# Allegro board RK_NVR_DEMO1_RK3588_LP4XD200P232SD8_V21_20211228_final_lint.brd (continued)
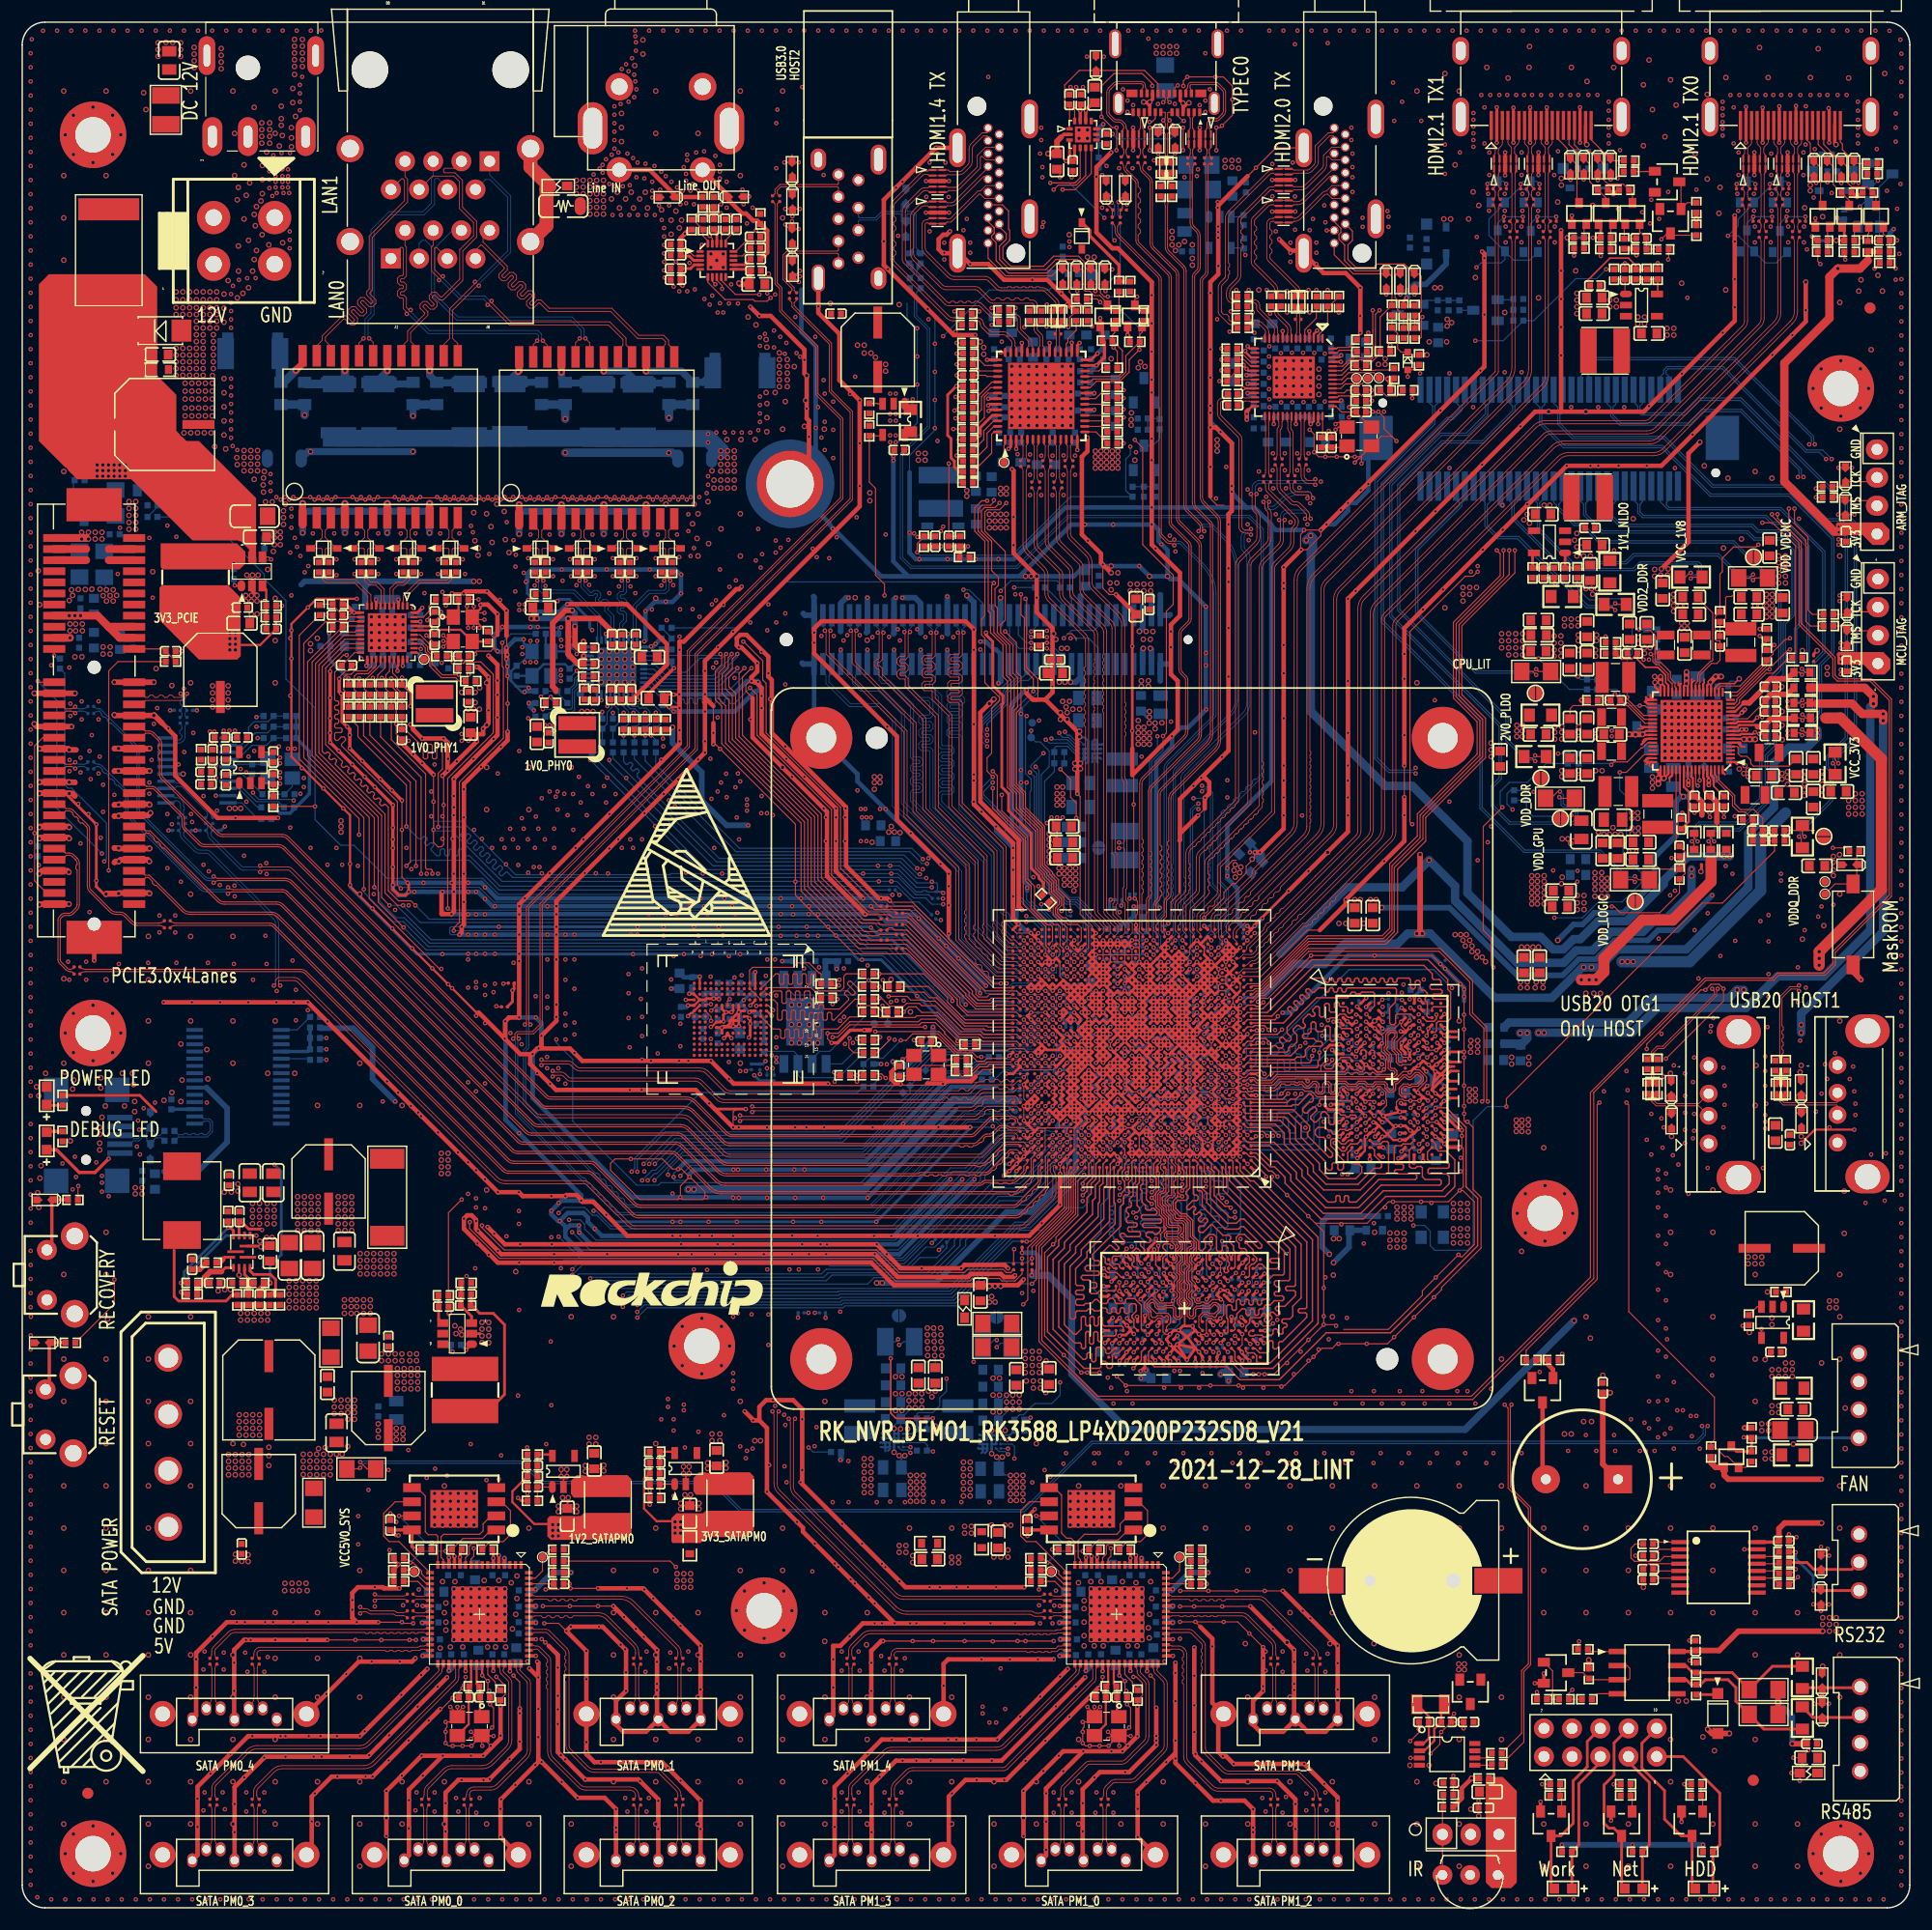
[diagram p0: board, top side]
## Nets (continued)
DP1_HPDIN_M2: D5102.1(A) R5100.1 R5101.1 R5135.2 U1000.A25(GPIO1_A1_D)
DP1_TX0N: C1409.2 U5100.30(RX0N)
DP1_TX0P: C1408.2 U5100.29(RX0P)
DP1_TX1N: C1411.2 U5100.33(RX1N)
DP1_TX1P: C1410.2 U5100.32(RX1P)
DP1_TX2N: C1414.2 U5100.35(RX2N)
DP1_TX2P: C1413.2 U5100.34(RX2P)
DP1_TX3N: C1416.2 U5100.38(RX3N)
DP1_TX3P: C1415.2 U5100.37(RX3P)
DP1AUXN: C5100.2 U5100.26(RXAUXN)
DP1AUXP: C5101.2 U5100.27(RXAUXP)
DP1TX0N: C1409.1 U1000.AP8(TYPEC1_SSRX1N/DP1_TX0N)
DP1TX0P: C1408.1 U1000.AN8(TYPEC1_SSRX1P/DP1_TX0P)
DP1TX1N: C1411.1 U1000.AN9(TYPEC1_SSTX1N/DP1_TX1N)
DP1TX1P: C1410.1 U1000.AP9(TYPEC1_SSTX1P/DP1_TX1P)
DP1TX2N: C1414.1 U1000.AP10(TYPEC1_SSRX2N/DP1_TX2N)
DP1TX2P: C1413.1 U1000.AN10(TYPEC1_SSRX2P/DP1_TX2P)
DP1TX3N: C1416.1 U1000.AN11(TYPEC1_SSTX2N/DP1_TX3N)
DP1TX3P: C1415.1 U1000.AP11(TYPEC1_SSTX2P/DP1_TX3P)
DP2HDMI_PWREN_H_GPIO3_B2: R5129.1 R5131.1 R5549.1 R5552.1 U1000.AE28(GPIO3_B2_D)
DP2HDMI_RSTN: C5106.1 R5121.2 R5122.2 U5100.46(SYSRSTN)
DP2HDMI_RSTN_GPIO0_D5: R5122.1 U1000.V28(GPIO0_D5_U)
DP2HDMI_XIN: C5105.1 U5100.43(XTALIN) Y5100.3(X2)
DP2HDMI_XOUT: R5115.2 U5100.42(XTALOUT)
EMMC_CLKOUT: C4010.1 R1310.2 TP1300.1 U4000.M6(CLK)
EMMC_CLKOUT_SOC: R1310.1 U1000.V34(GPIO2_A1_D)
EMMC_CMD: R1315.2 R4001.2 U4000.M5(CMD)
EMMC_CMD/FSPI_CLK: R1304.1 R1315.1 U1000.W34(GPIO2_A0_U)
EMMC_D0: R1309.2 R4000.2 U4000.A3(DATA0)
EMMC_D0/FSPI_D0: R1300.1 R1309.1 U1000.Y33(GPIO2_D0_U)
EMMC_D1: R1311.2 U4000.A4(DATA1)
EMMC_D1/FSPI_D1: R1301.1 R1311.1 U1000.W33(GPIO2_D1_U)
EMMC_D2: R1313.2 U4000.A5(DATA2)
EMMC_D2/FSPI_D2: R1302.1 R1313.1 U1000.V32(GPIO2_D2_U)
EMMC_D3: R1314.2 U4000.B2(DATA3)
EMMC_D3/FSPI_D3: R1303.1 R1314.1 U1000.AA33(GPIO2_D3_U)
EMMC_D4: R1305.2 U4000.B3(DATA4)
EMMC_D4_SOC: R1305.1 U1000.Y32(GPIO2_D4_U)
EMMC_D5: R1306.2 U4000.B4(DATA5)
EMMC_D5_SOC: R1306.1 U1000.AA32(GPIO2_D5_U)
EMMC_D6: R1316.2 U4000.B5(DATA6)
EMMC_D6/FSPI_CS0: R1307.1 R1316.1 U1000.W32(GPIO2_D6_U)
EMMC_D7: R1308.2 U4000.B6(DATA7)
EMMC_D7_SOC: R1308.1 U1000.V33(GPIO2_D7_U)
EMMC_DATA_STROBE: R4003.1 U1000.Y34(GPIO2_A2_D)
EMMC_DS: R4003.2 R4004.1 U4000.H5(DATA STROBE)
EMMC_RSTN: C4009.1 R1312.2 R4002.2 U4000.K5(RST_N)
EMMC_RSTN_SOC: R1312.1 U1000.AA34(GPIO2_A3_D)
EMMC_VDDI: C4008.1 U4000.C2(VDDI)
ENTEST: R5513.1 U5500.44(ENTEST)
ES_CE: R7002.2 R7004.1 U7000.20(CE)
ETH0_REFCLKO25M: R1511.1 U1000.AD30(GPIO2_C3_D)
ETH0_REFCLKO_25M: R1511.2 R6709.1
ETH1_REFCLKO25M: R1906.1 U1000.AH27(GPIO3_A6_D)
ETH1_REFCLKO_25M: R1906.2 R6809.1
ETHERNET_LED+: J9001.9 LED9001.1(ANODE) R9004.2
ETHERNET_LED-: J9001.10 LED9001.2(CATHODE) Q9001.3(COLLECTOR)
ETHERNET_LED_EN_H_GPIO3_C0: R9007.1 U1000.Y29(GPIO3_C0_D)
FSPI_CLK: R1304.2 TP1302.1 U4300.6(CLK)
FSPI_CS0: R1307.2 U4300.1(C\S\)
FSPI_D0: R1300.2 U4300.5(DI(D0))
FSPI_D1: R1301.2 U4300.2(DO(D1))
FSPI_D2: R1302.2 R4300.2 U4300.3(W\P\(D2))
FSPI_D3: R1303.2 R4301.2 U4300.7(H\O\L\D\(D3))
GMAC0_MCLKIN: R1512.1 U1000.AF34(GPIO4_C3_D)
GMAC0_MCLKINOUT: C6706.1 R1512.2 R6714.1 R6715.1
GMAC0_MDC: R1513.2 U6701.13(MDC)
GMAC0_MDC_SOC: R1513.1 U1000.AB34(GPIO4_C4_D)
GMAC0_MDIO: R6735.2 U1000.AB33(GPIO4_C5_D) U6701.14(MDIO)
GMAC0_RSTN_L_GPIO4_B3: R6736.1 U1000.AM25(GPIO4_B3_U)
GMAC0_RXCLK: C6724.1 R6741.2 U1000.AE32(GPIO2_B0_U)
GMAC0_RXD0: R6737.2 U1000.AD32(GPIO2_C1_D)
GMAC0_RXD1: R6738.2 U1000.AD31(GPIO2_C2_D)
GMAC0_RXD2: R6739.2 U1000.AC32(GPIO2_A6_U)
GMAC0_RXD3: R6740.2 U1000.AC31(GPIO2_A7_U)
GMAC0_RXDV_CRS: R6742.2 U1000.AE31(GPIO4_C2_D)
GMAC0_TXCLK: C6726.1 R1506.2 U6701.20(TXC)
GMAC0_TXCLK_SOC: R1506.1 U1000.AE33(GPIO2_B3_D)
GMAC0_TXD0: R1507.2 U6701.18(TXD0)
GMAC0_TXD0_SOC: R1507.1 U1000.AD33(GPIO2_B6_D)
GMAC0_TXD1: R1508.2 U6701.17(TXD1)
GMAC0_TXD1_SOC: R1508.1 U1000.AD34(GPIO2_B7_D)
GMAC0_TXD2: R1504.2 U6701.16(TXD2)
GMAC0_TXD2_SOC: R1504.1 U1000.AC33(GPIO2_B1_U)
GMAC0_TXD3: R1505.2 U6701.15(TXD3)
GMAC0_TXD3_SOC: R1505.1 U1000.AC34(GPIO2_B2_U)
GMAC0_TXEN: R1509.2 U6701.19(TXCTL)
GMAC0_TXEN_SOC: R1509.1 U1000.AE34(GPIO2_C0_D)
GMAC1_MCLKIN: R1910.1 U1000.AE29(GPIO3_B6_D)
GMAC1_MCLKINOUT: C6806.1 R1910.2 R6814.1 R6815.1
GMAC1_MDC: R1911.2 U6801.13(MDC)
GMAC1_MDC_SOC: R1911.1 U1000.Y31(GPIO3_C2_D)
GMAC1_MDIO: R6835.2 U1000.Y30(GPIO3_C3_D) U6801.14(MDIO)
GMAC1_RSTN_L_GPIO4_A2: R6836.1 U1000.AM29(GPIO4_A2_D)
GMAC1_RXCLK: C6823.1 R1905.2 R6841.2
GMAC1_RXCLK_SOC: R1905.1 U1000.AH30(GPIO3_A5_D)
GMAC1_RXD0: R6837.2 U1000.AG29(GPIO3_A7_U)
GMAC1_RXD1: R6838.2 U1000.AG28(GPIO3_B0_U)
GMAC1_RXD2: R1902.2 R6839.2
GMAC1_RXD2_SOC: R1902.1 U1000.AD27(GPIO3_A2_U)
GMAC1_RXD3: R1903.2 R6840.2
GMAC1_RXD3_SOC: R1903.1 U1000.AE27(GPIO3_A3_U)
GMAC1_RXDV_CRS: R6842.2 U1000.AH29(GPIO3_B1_D)
GMAC1_TXCLK: C6826.1 R1904.2 U6801.20(TXC)
GMAC1_TXCLK_SOC: R1904.1 U1000.AD28(GPIO3_A4_D)
GMAC1_TXD0: R1907.2 U6801.18(TXD0)
GMAC1_TXD0_SOC: R1907.1 U1000.AC28(GPIO3_B3_U)
GMAC1_TXD1: R1908.2 U6801.17(TXD1)
GMAC1_TXD1_SOC: R1908.1 U1000.AC29(GPIO3_B4_U)
GMAC1_TXD2: R1900.2 U6801.16(TXD2)
GMAC1_TXD2_SOC: R1900.1 U1000.AA29(GPIO3_A0_U)
GMAC1_TXD3: R1901.2 U6801.15(TXD3)
GMAC1_TXD3_SOC: R1901.1 U1000.AA30(GPIO3_A1_U)
GMAC1_TXEN: R1909.2 U6801.19(TXCTL)
GMAC1_TXEN_SOC: R1909.1 U1000.AD29(GPIO3_B5_U)
HDD_LED+: J9001.7 LED9002.1(ANODE) R9005.2
HDD_LED-: J9001.8 LED9002.2(CATHODE) Q9002.3(COLLECTOR)
HDD_LED_EN_H_GPIO3_C1: R9008.1 U1000.Y27(GPIO3_C1_D)
HDMI0_TX0N_PORT: C1701.2 ED5001.2(IO2) ED5001.9(NC_9) J5000.9(D0N) R1706.1
HDMI0_TX0N_PORT/EDP0_TX_D0N: C1701.1 U1000.AJ1(HDMI_TX0_D0N/EDP_TX0_D0N)
HDMI0_TX0P_PORT: C1700.2 ED5001.1(IO1) ED5001.10(NC_10) J5000.7(D0P) R1707.1
HDMI0_TX0P_PORT/EDP0_TX_D0P: C1700.1 U1000.AJ2(HDMI_TX0_D0P/EDP_TX0_D0P)
HDMI0_TX1N_PORT: C1703.2 ED5000.5(IO4) ED5000.6(NC_6) J5000.6(D1N) R1704.1
HDMI0_TX1N_PORT/EDP0_TX_D1N: C1703.1 U1000.AK2(HDMI_TX0_D1N/EDP_TX0_D1N)
HDMI0_TX1P_PORT: C1702.2 ED5000.4(IO3) ED5000.7(NC_7) J5000.4(D1P) R1705.1
HDMI0_TX1P_PORT/EDP0_TX_D1P: C1702.1 U1000.AK3(HDMI_TX0_D1P/EDP_TX0_D1P)
HDMI0_TX2N_PORT: C1705.2 ED5000.2(IO2) ED5000.9(NC_9) J5000.3(D2N) R1702.1
HDMI0_TX2N_PORT/EDP0_TX_D2N: C1705.1 U1000.AL1(HDMI_TX0_D2N/EDP_TX0_D2N)
HDMI0_TX2P_PORT: C1704.2 ED5000.1(IO1) ED5000.10(NC_10) J5000.1(D2P) R1703.1
HDMI0_TX2P_PORT/EDP0_TX_D2P: C1704.1 U1000.AL2(HDMI_TX0_D2P/EDP_TX0_D2P)
HDMI0_TX3N_PORT: C1707.2 ED5001.5(IO4) ED5001.6(NC_6) J5000.12(CLKN) R1700.1
HDMI0_TX3N_PORT/EDP0_TX_D3N: C1707.1 U1000.AH2(HDMI_TX0_D3N/EDP_TX0_D3N)
HDMI0_TX3P_PORT: C1706.2 ED5001.4(IO3) ED5001.7(NC_7) J5000.10(CLKP) R1701.1
HDMI0_TX3P_PORT/EDP0_TX_D3P: C1706.1 U1000.AH3(HDMI_TX0_D3P/EDP_TX0_D3P)
HDMI0_TX_CEC_PORT: ED5005.1 J5000.13(CEC) Q5002.3(DRAIN)
HDMI0_TX_HPD_PORT: ED5002.1 J5000.19(HPD) R5004.2
HDMI0_TX_ON_H: Q1700.1(GATE) Q1701.1(GATE) Q1702.1(GATE) Q1703.1(GATE) U1000.AL24(GPIO4_B1_U)
HDMI0_TX_SCL_PORT: ED5004.1 J5000.15(SCL) Q5000.3(DRAIN) R5001.2
HDMI0_TX_SDA_PORT: ED5003.1 J5000.16(SDA) Q5001.3(DRAIN) R5007.2
HDMI1_TX0N_PORT: C1717.2 ED5007.2(IO2) ED5007.9(NC_9) J5001.9(D0N) R1715.1
HDMI1_TX0N_PORT/EDP1_TX_D0N: C1717.1 U1000.AP4(HDMI_TX1_D0N/EDP_TX1_D0N)
HDMI1_TX0P_PORT: C1716.2 ED5007.1(IO1) ED5007.10(NC_10) J5001.7(D0P) R1716.1
HDMI1_TX0P_PORT/EDP1_TX_D0P: C1716.1 U1000.AN4(HDMI_TX1_D0P/EDP_TX1_D0P)
HDMI1_TX1N_PORT: C1719.2 ED5006.5(IO4) ED5006.6(NC_6) J5001.6(D1N) R1713.1
HDMI1_TX1N_PORT/EDP1_TX_D1N: C1719.1 U1000.AN5(HDMI_TX1_D1N/EDP_TX1_D1N)
HDMI1_TX1P_PORT: C1718.2 ED5006.4(IO3) ED5006.7(NC_7) J5001.4(D1P) R1714.1
HDMI1_TX1P_PORT/EDP1_TX_D1P: C1718.1 U1000.AM5(HDMI_TX1_D1P/EDP_TX1_D1P)
HDMI1_TX2N_PORT: C1721.2 ED5006.2(IO2) ED5006.9(NC_9) J5001.3(D2N) R1711.1
HDMI1_TX2N_PORT/EDP1_TX_D2N: C1721.1 U1000.AP6(HDMI_TX1_D2N/EDP_TX1_D2N)
HDMI1_TX2P_PORT: C1720.2 ED5006.1(IO1) ED5006.10(NC_10) J5001.1(D2P) R1712.1
HDMI1_TX2P_PORT/EDP1_TX_D2P: C1720.1 U1000.AN6(HDMI_TX1_D2P/EDP_TX1_D2P)
HDMI1_TX3N_PORT: C1723.2 ED5007.5(IO4) ED5007.6(NC_6) J5001.12(CLKN) R1709.1
HDMI1_TX3N_PORT/EDP1_TX_D3N: C1723.1 U1000.AN3(HDMI_TX1_D3N/EDP_TX1_D3N)
HDMI1_TX3P_PORT: C1722.2 ED5007.4(IO3) ED5007.7(NC_7) J5001.10(CLKP) R1710.1
HDMI1_TX3P_PORT/EDP1_TX_D3P: C1722.1 U1000.AM3(HDMI_TX1_D3P/EDP_TX1_D3P)
HDMI1_TX_CEC_PORT: ED5011.1 J5001.13(CEC) Q5005.3(DRAIN)
HDMI1_TX_HPD_PORT: ED5008.1 J5001.19(HPD) R5016.2
HDMI1_TX_ON_H: Q1704.1(GATE) Q1705.1(GATE) Q1706.1(GATE) Q1707.1(GATE) U1000.AK25(GPIO4_B2_U)
HDMI1_TX_SCL_PORT: ED5010.1 J5001.15(SCL) Q5003.3(DRAIN) R5013.2
HDMI1_TX_SDA_PORT: ED5009.1 J5001.16(SDA) Q5004.3(DRAIN) R5019.2
HDMI2_TX0N: R5109.1 U5100.8(TX0M)
HDMI2_TX0N_PORT: ED5101.2(IO2) ED5101.9(NC_9) J5100.9(D0N) R5109.2
HDMI2_TX0P: R5108.1 U5100.9(TX0P)
HDMI2_TX0P_PORT: ED5101.1(IO1) ED5101.10(NC_10) J5100.7(D0P) R5108.2
HDMI2_TX1N: R5106.1 U5100.11(TX1M)
HDMI2_TX1N_PORT: ED5100.5(IO4) ED5100.6(NC_6) J5100.6(D1N) R5106.2
HDMI2_TX1P: R5105.1 U5100.12(TX1P)
HDMI2_TX1P_PORT: ED5100.4(IO3) ED5100.7(NC_7) J5100.4(D1P) R5105.2
HDMI2_TX2N: R5104.1 U5100.13(TX2M)
HDMI2_TX2N_PORT: ED5100.2(IO2) ED5100.9(NC_9) J5100.3(D2N) R5104.2
HDMI2_TX2P: R5103.1 U5100.14(TX2P)
HDMI2_TX2P_PORT: ED5100.1(IO1) ED5100.10(NC_10) J5100.1(D2P) R5103.2
HDMI2_TX_CEC: R5116.1 R5136.1 U5100.2(CEC)
HDMI2_TX_HPD: R5112.1 R5138.1 U5100.50(HDMI_HPD)
HDMI2_TX_HPD_PORT: ED5102.1 J5100.19(HPD) R5112.2 R5114.1 R5137.2
HDMI2_TX_I2S0: R5118.1 U5100.55(I2S0/SPDIF)
HDMI2_TX_SCL: R5102.2 R5124.1 U5100.52(DDCSCL)
HDMI2_TX_SCL_PORT: ED5104.1 J5100.15(SCL) R5123.2 R5124.2
HDMI2_TX_SDA: R5107.2 R5127.1 U5100.51(DDCSDA)
HDMI2_TX_SDA_PORT: ED5103.1 J5100.16(SDA) R5125.2 R5127.2
HDMI2_TX_WS: R5119.1 U5100.56(WS)
HDMI2_TXCN: C5103.2 L5100.4 R5111.1 U5100.6(TXCM)
HDMI2_TXCN_PORT: ED5101.5(IO4) ED5101.6(NC_6) J5100.12(CLKN) L5100.3 R5111.2
HDMI2_TXCP: C5103.1 L5100.2 R5110.1 U5100.7(TXCP)
HDMI2_TXCP_PORT: ED5101.4(IO3) ED5101.7(NC_7) J5100.10(CLKP) L5100.1 R5110.2
HDMI3_TX0N: R5518.1 U5500.35(TX0M)
HDMI3_TX0N_PORT: ED5501.2(IO2) ED5501.9(NC_9) J5500.9(D0N) R5518.2
HDMI3_TX0P: R5517.1 U5500.36(TX0P)
HDMI3_TX0P_PORT: ED5501.1(IO1) ED5501.10(NC_10) J5500.7(D0P) R5517.2
HDMI3_TX1N: R5512.1 U5500.37(TX1M)
HDMI3_TX1N_PORT: ED5500.5(IO4) ED5500.6(NC_6) J5500.6(D1N) R5512.2
HDMI3_TX1P: R5515.1 U5500.38(TX1P)
HDMI3_TX1P_PORT: ED5500.4(IO3) ED5500.7(NC_7) J5500.4(D1P) R5515.2
HDMI3_TX2N: R5516.1 U5500.40(TX2M)
HDMI3_TX2N_PORT: ED5500.2(IO2) ED5500.9(NC_9) J5500.3(D2N) R5516.2
HDMI3_TX2P: R5514.1 U5500.41(TX2P)
HDMI3_TX2P_PORT: ED5500.1(IO1) ED5500.10(NC_10) J5500.1(D2P) R5514.2
HDMI3_TX_CEC: ED5505.1 J5500.13(CEC) R5538.2
HDMI3_TX_HPD: R5528.1 U5500.23(HPD)
HDMI3_TX_HPD_PORT: ED5502.1 J5500.19(HPD) R5528.2 R5533.1
HDMI3_TX_SCL: Q5501.2(SOURCE) R5542.2 R5544.1 U5500.25(DDCSCL)
HDMI3_TX_SCL_PORT: ED5504.1 J5500.15(SCL) Q5501.3(DRAIN) R5543.2 R5544.2
HDMI3_TX_SDA: Q5502.2(SOURCE) R5547.2 R5550.1 U5500.24(DDCSDA)
HDMI3_TX_SDA_PORT: ED5503.1 J5500.16(SDA) Q5502.3(DRAIN) R5548.2 R5550.2
HDMI3_TXCN: C5501.2 L5500.4 R5522.1 U5500.32(TXCM)
HDMI3_TXCN_PORT: ED5501.5(IO4) ED5501.6(NC_6) J5500.12(CLKN) L5500.3 R5522.2
HDMI3_TXCP: C5501.1 L5500.2 R5519.1 U5500.33(TXCP)
HDMI3_TXCP_PORT: ED5501.4(IO3) ED5501.7(NC_7) J5500.10(CLKP) L5500.1 R5519.2
HDMI_TX0_REXT: R1708.1 U1000.AM2(HDMI/EDP_TX0_REXT)
HDMI_TX1_REXT: R1717.1 U1000.AN1(HDMI/EDP_TX1_REXT)
HDMITX0_CEC_M0: R5011.1 U1000.AK24(GPIO4_C1_D)
HDMITX0_HPDIN_M0: Q5006.3(COLLECTOR) R5000.2 U1000.B26(GPIO1_A5_D)
HDMITX0_SCL_M0: R5003.1 U1000.AJ28(GPIO4_B7_U)
HDMITX0_SDA_M0: R5008.1 U1000.AJ25(GPIO4_C0_U)
HDMITX1_CEC_M2: R1912.2 R5023.1
HDMITX1_CEC_M2SOC: R1912.1 U1000.AH26(GPIO3_C4_U)
HDMITX1_HPDIN_M0: Q5008.3(COLLECTOR) R5014.2 U1000.C24(GPIO1_A6_D)
HDMITX1_SCL_M1: R5015.1 U1000.AG26(GPIO3_C6_U)
HDMITX1_SDA_M1: R5020.1 U1000.AH25(GPIO3_C5_U)
HOST0_REXT: R1403.1 U1000.AG9(USB20_HOST0_REXT)
HOST1_REXT: R1404.1 U1000.AH9(USB20_HOST1_REXT)
I2C0_SCL_M2: R1118.2 U1000.W30(GPIO0_D1_U) U2200.A3(SCL) U2201.A3(SCL)
I2C0_SDA_M2: R1117.2 U1000.W29(GPIO0_D2_U) U2200.B1(SDA) U2201.B1(SDA)
I2C2_SCL_M0: R1112.2 U1000.T28(GPIO0_B7_D) U2202.A3(SCL)
I2C2_SDA_M0: R1111.2 U1000.T31(GPIO0_C0_D) U2202.B1(SDA)
I2C3_SCL_M0: R1500.2 U1000.G27(GPIO1_C1_Z) U7000.1(CCLK)
I2C3_SDA_M0: R1501.2 U1000.G29(GPIO1_C0_Z) U7000.19(CDATA)
I2C4_SCL_M3_MIPI: R1913.2 U1000.A27(GPIO1_A3_D) U4700.48(I2C1_SCL_M0)
I2C4_SDA_M3_MIPI: R1914.2 U1000.A26(GPIO1_A2_D) U4700.46(I2C1_SDA_M0)
I2C5_SCL_M3_MIPI: R1916.2 U1000.E26(GPIO1_B6_U) U4700.47(I2C0_SCL_M0)
I2C5_SDA_M3_MIPI: R1915.2 U1000.E27(GPIO1_B7_U) U4700.45(I2C0_SDA_M0)
I2C6_SCL_M0: R1115.2 R2209.2 R5502.2 U1000.W31(GPIO0_D0_D) U2503.6(SCL)
I2C6_SDA_M0: R1116.2 R2210.2 R5501.2 U1000.V31(GPIO0_C7_D) U2503.7(SDA)
I2C_SCL_RTCIC: R2209.1 U2203.6(SCL)
I2C_SDA_RTCIC: R2210.1 U2203.5(SDA)
I2S0_LRCK_RX/PWM15_M2: R4735.2 U1000.D29(GPIO1_C6_D)
I2S0_LRCK_TX: U1000.D30(GPIO1_C5_D) U7000.8(LRCK)
I2S0_MCLK: U1000.F30(GPIO1_C2_D) U7000.2(MCLK)
I2S0_SCLK_RX/PWM11_M2: R4734.1 U1000.E30(GPIO1_C4_D)
I2S0_SCLK_TX: U1000.E31(GPIO1_C3_D) U7000.6(SCLK)
I2S0_SDI0: U1000.D28(GPIO1_D4_D) U7000.7(ASDOUT)
I2S0_SDI1/PWM1_M1: R4736.1 U1000.E28(GPIO1_D3_D)
I2S0_SDO0: U1000.E29(GPIO1_C7_D) U7000.9(DSDIN)
IT6161_INT: R5500.1 U5500.49(INT)
IT6161_INT_GPIO0_C4: R5500.2 U1000.R30(GPIO0_C4_D)
IT6161_PCSCL: R5502.1 U5500.47(PCSCL)
IT6161_PCSDA: R5501.1 U5500.48(PCSDA)
IT6161_SYSRSTN_GPIO0_C5: R5503.2 U1000.P30(GPIO0_C5_U)
IT6161SYSRSTN: C5500.1 R5503.1 R5504.1 U5500.46(SYSRTN)
JTAG_TCK_M0: R9107.1 U1000.AF2(GPIO4_D2_U)
JTAG_TMS_M0: R9106.1 U1000.AF1(GPIO4_D3_U)
L0DN: R5530.2 U5500.12(L0DN)
L0DP: R5532.2 U5500.13(L0DP)
L1DN: R5527.2 U5500.10(L1DN)
L1DP: R5529.2 U5500.11(L1DP)
L2DN: R5523.2 U5500.6(L2DN)
L2DP: R5524.2 U5500.7(L2DP)
L3DN: R5520.2 U5500.4(L3DN)
L3DP: R5521.2 U5500.5(L3DP)
LAN0_A+: J6700.A1 U6700.23(MX1+)
LAN0_A-: J6700.A2 U6700.22(MX1-)
LAN0_B+: J6700.A3 U6700.20(MX2+)
LAN0_B-: J6700.A6 U6700.19(MX2-)
LAN0_C+: J6700.A4 U6700.17(MX3+)
LAN0_C-: J6700.A5 U6700.16(MX3-)
LAN0_D+: J6700.A7 U6700.14(MX4+)
LAN0_D-: J6700.A8 U6700.13(MX4-)
LAN0_MCT1: D6702.1 D6707.1 R6713.1 U6700.24(MCT1)
LAN0_MCT2: D6700.1 D6704.1 R6712.1 U6700.21(MCT2)
LAN0_MCT3: D6703.1 D6705.1 R6711.1 U6700.18(MCT3)
LAN0_MCT4: D6701.1 D6706.1 R6710.1 U6700.15(MCT4)
LAN1_A+: J6700.B1 U6800.13(MX4-)
LAN1_A-: J6700.B2 U6800.14(MX4+)
LAN1_B+: J6700.B3 U6800.16(MX3-)
LAN1_B-: J6700.B6 U6800.17(MX3+)
LAN1_C+: J6700.B4 U6800.19(MX2-)
LAN1_C-: J6700.B5 U6800.20(MX2+)
LAN1_D+: J6700.B7 U6800.22(MX1-)
LAN1_D-: J6700.B8 U6800.23(MX1+)
LAN1_MCT1: D6800.1 D6804.1 R6813.1 U6800.24(MCT1)
LAN1_MCT2: D6801.1 D6805.1 R6812.1 U6800.21(MCT2)
LAN1_MCT3: D6802.1 D6806.1 R6811.1 U6800.18(MCT3)
LAN1_MCT4: D6803.1 D6807.1 R6810.1 U6800.15(MCT4)
LINE_IN: D7000.1 J7000.2 R7000.2
LINE_OUT: C7005.2 D7001.1 J7000.3 R7003.1
LINEIN: C7000.2 R7000.1 R7001.1
MCU_JTAG_TCK_M0/UART5_RX_M0: R9109.1 U1000.AE2(GPIO4_D4_U)
MCU_JTAG_TMS_M0/UART5_TX_M0: R9108.1 U1000.AE1(GPIO4_D5_D)
MIPI_CAM3_CLKOUT: R1917.2 U4700.39(MIPI0_MCLK0)
MIPI_CAM4_CLKOUT: R1918.2 U4700.40(MIPI1_MCLK0)
MIPI_CSI0_PDN0_H_GPIO1_B3: U1000.D27(GPIO1_B3_D) U4700.51(MIPI0_0_PDN)
MIPI_CSI0_PDN1_H_GPIO1_A7: U1000.C25(GPIO1_A7_U) U4700.55(MIPI0_1_PDN)
MIPI_CSI0_RST_GPIO1_A4: U1000.B25(GPIO1_A4_D) U4700.49(MIPI0_0_RST)
MIPI_CSI0_RX_CLK0N: U1000.AJ34(MIPI_CSI0_CLK0N) U4700.15(MIPI0_CLK0N)
MIPI_CSI0_RX_CLK0P: U1000.AJ33(MIPI_CSI0_CLK0P) U4700.17(MIPI0_CLK0P)
MIPI_CSI0_RX_CLK1N: U1000.AM34(MIPI_CSI0_CLK1N) U4700.33(MIPI0_CLK1N)
MIPI_CSI0_RX_CLK1P: U1000.AM33(MIPI_CSI0_CLK1P) U4700.35(MIPI0_CLK1P)
MIPI_CSI0_RX_D0N: U1000.AG34(MIPI_CSI0_D0N) U4700.3(MIPI0_D0N)
MIPI_CSI0_RX_D0P: U1000.AG33(MIPI_CSI0_D0P) U4700.5(MIPI0_D0P)
MIPI_CSI0_RX_D1N: U1000.AH34(MIPI_CSI0_D1N) U4700.9(MIPI0_D1N)
MIPI_CSI0_RX_D1P: U1000.AH33(MIPI_CSI0_D1P) U4700.11(MIPI0_D1P)
MIPI_CSI0_RX_D2N: U1000.AK34(MIPI_CSI0_D2N) U4700.21(MIPI0_D2N)
MIPI_CSI0_RX_D2P: U1000.AK33(MIPI_CSI0_D2P) U4700.23(MIPI0_D2P)
MIPI_CSI0_RX_D3N: U1000.AL34(MIPI_CSI0_D3N) U4700.27(MIPI0_D3N)
MIPI_CSI0_RX_D3P: U1000.AL33(MIPI_CSI0_D3P) U4700.29(MIPI0_D3P)
MIPI_CSI1_PDN0_H_GPIO1_B4: U1000.E24(GPIO1_B4_U) U4700.52(MIPI1_0_PDN)
MIPI_CSI1_PDN1_H_GPIO1_B0: U1000.C27(GPIO1_B0_U) U4700.56(MIPI1_1_PDN)
MIPI_CSI1_RST_GPIO1_B5: U1000.E25(GPIO1_B5_U) U4700.50(MIPI1_0_RST)
MIPI_CSI1_RX_CLK0N: U1000.AJ32(MIPI_CSI1_CLK0N) U4700.16(MIPI1_CLK0N)
MIPI_CSI1_RX_CLK0P: U1000.AJ31(MIPI_CSI1_CLK0P) U4700.18(MIPI1_CLK0P)
MIPI_CSI1_RX_CLK1N: U1000.AM32(MIPI_CSI1_CLK1N) U4700.34(MIPI1_CLK1N)
MIPI_CSI1_RX_CLK1P: U1000.AM31(MIPI_CSI1_CLK1P) U4700.36(MIPI1_CLK1P)
MIPI_CSI1_RX_D0N: U1000.AG32(MIPI_CSI1_D0N) U4700.4(MIPI1_D0N)
MIPI_CSI1_RX_D0P: U1000.AG31(MIPI_CSI1_D0P) U4700.6(MIPI1_D0P)
MIPI_CSI1_RX_D1N: U1000.AH32(MIPI_CSI1_D1N) U4700.10(MIPI1_D1N)
MIPI_CSI1_RX_D1P: U1000.AH31(MIPI_CSI1_D1P) U4700.12(MIPI1_D1P)
MIPI_CSI1_RX_D2N: U1000.AK32(MIPI_CSI1_D2N) U4700.22(MIPI1_D2N)
MIPI_CSI1_RX_D2P: U1000.AK31(MIPI_CSI1_D2P) U4700.24(MIPI1_D2P)
MIPI_CSI1_RX_D3N: U1000.AL32(MIPI_CSI1_D3N) U4700.28(MIPI1_D3N)
MIPI_CSI1_RX_D3P: U1000.AL31(MIPI_CSI1_D3P) U4700.30(MIPI1_D3P)
MIPI_DPHY1_TX_CLKN: R5525.1 U1000.AP20(MIPI_DPHY1_TX_CLKN/MIPI_CPHY1_T)
MIPI_DPHY1_TX_CLKP: R5526.1 U1000.AN20(MIPI_DPHY1_TX_CLKP/MIPI_CPHY1_T)
MIPI_DPHY1_TX_D0N: R5530.1 U1000.AP18(MIPI_DPHY1_TX_D0N/MIPI_CPHY1_TX)
MIPI_DPHY1_TX_D0P: R5532.1 U1000.AN18(MIPI_DPHY1_TX_D0P/MIPI_CPHY1_TX)
MIPI_DPHY1_TX_D1N: R5527.1 U1000.AP19(MIPI_DPHY1_TX_D1N/MIPI_CPHY1_TX)
MIPI_DPHY1_TX_D1P: R5529.1 U1000.AN19(MIPI_DPHY1_TX_D1P/MIPI_CPHY1_TX)
MIPI_DPHY1_TX_D2N: R5523.1 U1000.AP21(MIPI_DPHY1_TX_D2N/MIPI_CPHY1_TX)
MIPI_DPHY1_TX_D2P: R5524.1 U1000.AN21(MIPI_DPHY1_TX_D2P/MIPI_CPHY1_TX)
MIPI_DPHY1_TX_D3N: R5520.1 U1000.AP22(MIPI_DPHY1_TX_D3N/MIPI_CPHY1_TX)
MIPI_DPHY1_TX_D3P: R5521.1 U1000.AN22(MIPI_DPHY1_TX_D3P/NO_USE)
MIPICSI0_PWREN_H_GPIO1_B1: U1000.D25(GPIO1_B1_D) U4700.65(MIPI0_PWREN)
MIPICSI1_PWREN_H_GPIO1_B2: U1000.D26(GPIO1_B2_D) U4700.66(MIPI1_PWREN)
OTG0_REXT: R1400.1 U1000.AP12(TYPEC0_USB20_OTG0_REXT)
OTG1_REXT: R1402.1 U1000.AP7(TYPEC1_USB20_OTG1_REXT)
PCADR: R5507.1 R5509.1 U5500.45(PCADR)
PCIE30_0_REF: R1800.1 U1000.B34(PCIE30_PORT0_RESREF)
PCIE30_1_REF: R1801.1 U1000.A33(PCIE30_PORT1_RESREF)
PCIE30_PORT0_REFCLKN_IN: R8416.2 R8418.1 U1000.E34(PCIE30_PORT0_REF_CLKN)
PCIE30_PORT0_REFCLKP_IN: R8415.2 R8419.1 U1000.E33(PCIE30_PORT0_REF_CLKP)
PCIE30_PORT0_RX0N: J8400.A17(PERN0) U1000.G34(PCIE30_PORT0_RX0N)
PCIE30_PORT0_RX0P: J8400.A16(PERP0) U1000.G33(PCIE30_PORT0_RX0P)
PCIE30_PORT0_RX1N: J8400.A22(PERN1) U1000.F33(PCIE30_PORT0_RX1N)
PCIE30_PORT0_RX1P: J8400.A21(PERP1) U1000.F32(PCIE30_PORT0_RX1P)
PCIE30_PORT0_TX0N: C8402.1 U1000.D33(PCIE30_PORT0_TX0N)
PCIE30_PORT0_TX0P: C8401.1 U1000.D32(PCIE30_PORT0_TX0P)
PCIE30_PORT0_TX1N: C8404.1 U1000.C34(PCIE30_PORT0_TX1N)
PCIE30_PORT0_TX1P: C8403.1 U1000.C33(PCIE30_PORT0_TX1P)
PCIE30_PORT1_REFCLKN_IN: R8424.2 R8425.1 U1000.B28(PCIE30_PORT1_REF_CLKN)
PCIE30_PORT1_REFCLKP_IN: R8423.2 R8426.1 U1000.A28(PCIE30_PORT1_REF_CLKP)
PCIE30_PORT1_RX2N: J8400.A26(PERN2) U1000.A32(PCIE30_PORT1_RX0N)
PCIE30_PORT1_RX2P: J8400.A25(PERP2) U1000.B32(PCIE30_PORT1_RX0P)
PCIE30_PORT1_RX3N: J8400.A30(PERN3) U1000.B31(PCIE30_PORT1_RX1N)
PCIE30_PORT1_RX3P: J8400.A29(PERP3) U1000.C31(PCIE30_PORT1_RX1P)
PCIE30_PORT1_TX2N: C8406.1 U1000.A30(PCIE30_PORT1_TX0N)
PCIE30_PORT1_TX2P: C8405.1 U1000.B30(PCIE30_PORT1_TX0P)
PCIE30_PORT1_TX3N: C8408.1 U1000.B29(PCIE30_PORT1_TX1N)
PCIE30_PORT1_TX3P: C8407.1 U1000.C29(PCIE30_PORT1_TX1P)
PCIE30_TX0_N: C8402.2 J8400.B15(PETN0)
PCIE30_TX0_P: C8401.2 J8400.B14(PETP0)
PCIE30_TX1_N: C8404.2 J8400.B20(PETN1)
PCIE30_TX1_P: C8403.2 J8400.B19(PETP1)
PCIE30_TX2_N: C8406.2 J8400.B24(PETN2)
PCIE30_TX2_P: C8405.2 J8400.B23(PETP2)
PCIE30_TX3_N: C8408.2 J8400.B28(PETN3)
PCIE30_TX3_P: C8407.2 J8400.B27(PETP3)
PCIE30X4_CLKREQN_3V3_L: J8400.B12(RSVD_B12) R8400.2
PCIE30X4_CLKREQN_M1_L: R1922.1 R8400.1 U1000.AL26(GPIO4_B4_U)
PCIE30X4_PERSTN_3V3_L: C8400.1 J8400.A11(PERST#) R8402.2
PCIE30X4_PERSTN_M1_L: R8402.1 U1000.AJ27(GPIO4_B6_D)
PCIE30X4_PRSNT_3V3_L: J8400.B17(PRSNT2#_1) J8400.B31(PRSNT2#_2) R8403.2
PCIE30X4_PRSNT_L_GPIO3_C7: R8403.1 U1000.AJ24(GPIO3_C7_U)
PCIE30X4_PWREN_H_GPIO3_D5: R8427.1 R8429.1 R8434.1 U1000.AB28(GPIO3_D5_D)
PCIE30X4_REFCLKN_CON: J8400.A14(REFCLK-) R8405.2 R8406.1
PCIE30X4_REFCLKP_CON: J8400.A13(REFCLK+) R8404.2 R8407.1
PCIE30X4_WAKEN_3V3_L: J8400.B11(WAKE#) R8401.2
PCIE30X4_WAKEN_M1_L: R8401.1 U1000.AJ26(GPIO4_B5_D)
PHY0_CLKOUT125: R6714.2 U6701.35(CLKOUT)
PHY0_LED0/CFG_EXT: R6716.1 R6717.2 U6701.32(LED0/CFG_EXT)
PHY0_LED1/CFG_LDO0: R6720.1 U6701.33(LED1/CFG_LDO0)
PHY0_LED2/CFG_LDO1: R6718.1 R6719.2 U6701.34(LED2/CFG_LDO1)
PHY0_MDI0+: R6700.1 U6701.1(MDI[0]+)
PHY0_MDI0-: R6701.1 U6701.2(MDI[0]-)
PHY0_MDI1+: R6703.1 U6701.4(MDI[1]+)
PHY0_MDI1-: R6704.1 U6701.5(MDI[1]-)
PHY0_MDI2+: R6705.1 U6701.6(MDI[2]+)
PHY0_MDI2-: R6706.1 U6701.7(MDI[2]-)
PHY0_MDI3+: R6707.1 U6701.9(MDI[3]+)
PHY0_MDI3-: R6708.1 U6701.10(MDI[3]-)
PHY0_MDI_0+: ED6703.2 R6700.2 U6700.2(TD1+)
PHY0_MDI_0-: ED6703.1 R6701.2 U6700.3(TD1-)
PHY0_MDI_1+: ED6702.2 R6703.2 U6700.5(TD2+)
PHY0_MDI_1-: ED6702.1 R6704.2 U6700.6(TD2-)
PHY0_MDI_2+: ED6701.2 R6705.2 U6700.8(TD3+)
PHY0_MDI_2-: ED6701.1 R6706.2 U6700.9(TD3-)
PHY0_MDI_3+: ED6700.2 R6707.2 U6700.11(TD4+)
PHY0_MDI_3-: ED6700.1 R6708.2 U6700.12(TD4-)
PHY0_REG_OUT: L6700.1 U6701.30(REG_OUT)
PHY0_RSTN: C6718.1 R6734.2 R6736.2 U6701.12(PHYRSTB)
PHY0_RXCLK/PHYAD1: R6724.1 R6741.1 U6701.27(RXC/PHYAD1)
PHY0_RXD0/RXDLY: R6726.1 R6727.2 R6737.1 U6701.25(RXD0/RXDLY)
PHY0_RXD1/TXDLY: R6728.1 R6729.2 R6738.1 U6701.24(RXD1/TXDLY)
PHY0_RXD2/PLLOFF: R6731.1 R6732.2 R6739.1 U6701.23(RXD2/PLLOFF)
PHY0_RXD3/PHYAD0: R6722.1 R6723.2 R6740.1 U6701.22(RXD3/PHYAD0)
PHY0_RXDV/PHYAD2: R6725.1 R6742.1 U6701.26(RXCTL/PHYAD2)
PHY0_XTALIN: C6701.1 R6702.1 U6701.36(XTAL_IN) Y6700.3(X2)
PHY0_XTALOUT: C6700.1 R6709.2 U6701.37(XTAL_OUT/EXT_CLK) Y6700.1(X1)
PHY1_CLKOUT125: R6814.2 U6801.35(CLKOUT)
PHY1_LED0/CFG_EXT: R6816.1 R6817.2 U6801.32(LED0/CFG_EXT)
PHY1_LED1/CFG_LDO0: R6820.1 U6801.33(LED1/CFG_LDO0)
PHY1_LED2/CFG_LDO1: R6818.1 R6819.2 U6801.34(LED2/CFG_LDO1)
PHY1_MDI0+: R6808.1 U6801.1(MDI[0]+)
PHY1_MDI0-: R6807.1 U6801.2(MDI[0]-)
PHY1_MDI1+: R6806.1 U6801.4(MDI[1]+)
PHY1_MDI1-: R6805.1 U6801.5(MDI[1]-)
PHY1_MDI2+: R6804.1 U6801.6(MDI[2]+)
PHY1_MDI2-: R6803.1 U6801.7(MDI[2]-)
PHY1_MDI3+: R6801.1 U6801.9(MDI[3]+)
PHY1_MDI3-: R6800.1 U6801.10(MDI[3]-)
PHY1_MDI_0+: ED6803.2 R6808.2 U6800.12(TD4-)
PHY1_MDI_0-: ED6803.1 R6807.2 U6800.11(TD4+)
PHY1_MDI_1+: ED6802.2 R6806.2 U6800.9(TD3-)
PHY1_MDI_1-: ED6802.1 R6805.2 U6800.8(TD3+)
PHY1_MDI_2+: ED6801.2 R6804.2 U6800.6(TD2-)
PHY1_MDI_2-: ED6801.1 R6803.2 U6800.5(TD2+)
PHY1_MDI_3+: ED6800.2 R6801.2 U6800.3(TD1-)
PHY1_MDI_3-: ED6800.1 R6800.2 U6800.2(TD1+)
PHY1_REG_OUT: L6800.1 U6801.30(REG_OUT)
PHY1_RSTN: C6817.1 R6834.2 R6836.2 U6801.12(PHYRSTB)
PHY1_RXCLK/PHYAD1: R6823.1 R6824.2 R6841.1 U6801.27(RXC/PHYAD1)
PHY1_RXD0/RXDLY: R6826.1 R6827.2 R6837.1 U6801.25(RXD0/RXDLY)
PHY1_RXD1/TXDLY: R6828.1 R6829.2 R6838.1 U6801.24(RXD1/TXDLY)
PHY1_RXD2/PLLOFF: R6831.1 R6832.2 R6839.1 U6801.23(RXD2/PLLOFF)
PHY1_RXD3/PHYAD0: R6822.2 R6840.1 U6801.22(RXD3/PHYAD0)
PHY1_RXDV/PHYAD2: R6825.1 R6842.1 U6801.26(RXCTL/PHYAD2)
PHY1_XTALIN: C6800.1 R6802.1 U6801.36(XTAL_IN) Y6800.3(X2)
PHY1_XTALOUT: C6801.1 R6809.2 U6801.37(XTAL_OUT/EXT_CLK) Y6800.1(X1)
PI6C_05_CLK0N: R8405.1 U8400.19(CLK0N)
PI6C_05_CLK0P: R8404.1 U8400.20(CLK0P)
PI6C_05_CLK2N: R8416.1 U8400.13(CLK2N)
PI6C_05_CLK2P: R8415.1 U8400.14(CLK2P)
PI6C_05_CLK3N: R8424.1 U8400.11(CLK3N)
PI6C_05_CLK3P: R8423.1 U8400.12(CLK3P)
PI6C_05_OE: R8417.2 U8400.8(OE)
PI6C_05_PDN: R8420.2 U8400.7(PDN)
PI6C_05_S0: R8410.2 R8411.1 U8400.2(S0)
PI6C_05_S1: R8412.2 R8413.1 U8400.3(S1)
PI6C_05_S2: R8408.2 R8409.1 U8400.4(S2)
PMIC1_FB6: C2101.2 R2101.1 R2103.2 U2100.31(FB6)
PMIC1_FB9: C2137.2 R2125.2 R2126.1 U2100.66(FB9)
PMIC1_SW1: L2101.1 U2100.50(SW1_1) U2100.51(SW1_2)
PMIC1_SW2: L2103.1 U2100.35(SW2_1) U2100.36(SW2_2)
PMIC1_SW3: L2105.1 U2100.55(SW3)
PMIC1_SW4: L2107.1 U2100.23(SW4)
PMIC1_SW5: L2102.2 U2100.45(SW5)
PMIC1_SW6: L2100.2 U2100.29(SW6)
PMIC1_SW7: L2109.1 U2100.42(SW7)
PMIC1_SW8: L2106.2 U2100.6(SW8)
PMIC1_SW9: L2104.2 U2100.68(SW9)
PMIC1_SW10: L2108.2 U2100.26(SW10)
PMIC_EXT_EN_OUT: R2011.1 R2021.1 U2100.39((M\/S)EXT_EN)
PMIC_INT_L: R2137.2 U1000.M30(GPIO0_A7_U) U2100.19(INT)
PMIC_PWR_CTRL1: R1103.2 U2100.62(PWRCTRL1)
PMIC_PWR_CTRL2: R1113.2 R1114.1 U2100.61(PWRCTRL2)
PMIC_PWR_CTRL3: R1108.2 R1109.2 R1110.1 U2100.16((PWRCTRL3)SO)
PMIC_SPI_CLK: R1104.2 U2100.17((SCL)CLK)
PMIC_SPI_CS: R1106.2 R2134.1 U2100.18((IIC/S\P\I\)CS)
PMIC_SPI_MOSI: R1105.2 R1107.2 R2150.1 U2100.15((SDA)MOSI)
PMIC_VDC: C2165.1 R2136.2 R2140.1 U2100.32(VDC)
POWER_LED+: J9001.5 LED9000.1(ANODE) R9003.2
POWER_LED-: J9001.6 LED9000.2(CATHODE) Q9000.3(COLLECTOR)
POWER_LED_EN_H_GPIO3_B7: R9006.1 U1000.AA28(GPIO3_B7_D)
PWM3_IR_M0: C9000.1 R9001.1 U1000.V29(GPIO0_D4_U)
PWM8_M1_BEEP: R7005.1 U1000.AD2(GPIO4_D0_U)
PWM9_M1_FAN: Q9501.2(SOURCE) R9902.1 R9904.2 U1000.AD1(GPIO4_D1_U)
RECOVERY_KEY: C1501.1 R1502.2 R9200.1 TP1500.1 U1000.AL16(SARADC_IN1)
RESET_L: C1100.1 C2166.1 R1102.1 R2138.2 R9201.1 U1000.M31(NPOR_U) U2100.40(RESETB)
RS232_RX: ED9502.1 J9501.2 R9512.2
RS232_TX: ED9503.1 J9501.3 R9511.2
RSET0: R6721.1 U6701.39(RSET)
RSET1: R6821.1 U6801.39(RSET)
RTCIC_INT_L_GPIO0_B2: U1000.K29(GPIO0_B2_U) U2203.3(I\N\T\)
SARADC_VIN5_HW_ID: C1502.1 R9300.2 R9301.1 U1000.AK15(SARADC_IN5)
SATA30_0_RXN: C8216.1 U1000.N34(PCIE20_0_RXN/SATA30_0_RXN)
SATA30_0_RXP: C8218.1 U1000.N33(PCIE20_0_RXP/SATA30_0_RXP)
SATA30_0_TXN: C8210.1 U1000.M33(PCIE20_0_TXN/SATA30_0_TXN)
SATA30_0_TXP: C8212.1 U1000.M34(PCIE20_0_TXP/SATA30_0_TXP)
SATA30_1_RXN: C8316.1 U1000.J34(PCIE20_1_RXN/SATA30_1_RXN)
SATA30_1_RXP: C8318.1 U1000.J33(PCIE20_1_RXP/SATA30_1_RXP)
SATA30_1_TXN: C8312.1 U1000.K34(PCIE20_1_TXN/SATA30_1_TXN)
SATA30_1_TXP: C8310.1 U1000.K33(PCIE20_1_TXP/SATA30_1_TXP)
SATAPM0_GPIO0: U8200.17(ZGPIO00) U8201.6(CLK)
SATAPM0_GPIO1: U8200.16(ZGPIO01) U8201.5(DI(D0))
SATAPM0_GPIO2: U8200.15(ZGPIO02) U8201.2(DO(D1))
SATAPM0_GPIO3: R8204.2 U8200.11(ZGPIO03) U8201.3(W\P\(D2))
SATAPM0_GPIO4: R8205.2 U8200.10(ZGPIO04) U8201.7(H\O\L\D\(D3))
SATAPM0_GPIO12: R8202.2 TP8200.1 U8200.63(ZGPIO12)
SATAPM0_GPIO13: R8210.2 TP8201.1 U8200.19(ZGPIO13)
SATAPM0_GPIO14: R8203.2 R8208.2 U8200.18(ZGPIO14) U8201.1(C\S\)
SATAPM0_REXT: R8206.1 U8200.42(AREXT)
SATAPM0_RSTN: C8204.1 R8200.2 R8201.2 U8200.62(XRSTN)
SATAPM0_RSTN_L_GPIO4_A0: R8201.1 U1000.AK30(GPIO4_A0_D)
SATAPM0_RXN0: C8217.1 U8200.45(ARXN0)
SATAPM0_RXN1: C8202.1 U8200.57(ARXN1)
SATAPM0_RXN2: C8207.1 U8200.51(ARXN2)
SATAPM0_RXN3: C8222.1 U8200.34(ARXN3)
SATAPM0_RXN4: C8240.1 U8200.28(ARXN4)
SATAPM0_RXN5: C8210.2 U8200.22(ARXN5)
SATAPM0_RXN_0: C8217.2 J8202.5(RXN)
SATAPM0_RXN_1: C8202.2 J8200.5(RXN)
SATAPM0_RXN_2: C8207.2 J8201.5(RXN)
SATAPM0_RXN_3: C8222.2 J8203.5(RXN)
SATAPM0_RXN_4: C8240.2 J8204.5(RXN)
SATAPM0_RXP0: C8219.1 U8200.44(ARXP0)
SATAPM0_RXP1: C8203.1 U8200.56(ARXP1)
SATAPM0_RXP2: C8208.1 U8200.50(ARXP2)
SATAPM0_RXP3: C8223.1 U8200.33(ARXP3)
SATAPM0_RXP4: C8241.1 U8200.27(ARXP4)
SATAPM0_RXP5: C8212.2 U8200.21(ARXP5)
SATAPM0_RXP_0: C8219.2 J8202.6(RXP)
SATAPM0_RXP_1: C8203.2 J8200.6(RXP)
SATAPM0_RXP_2: C8208.2 J8201.6(RXP)
SATAPM0_RXP_3: C8223.2 J8203.6(RXP)
SATAPM0_RXP_4: C8241.2 J8204.6(RXP)
SATAPM0_TESTN: R8209.2 U8200.20(XTSTN)
SATAPM0_TXN0: C8215.1 U8200.47(ATXN0)
SATAPM0_TXN1: C8200.1 U8200.59(ATXN1)
SATAPM0_TXN2: C8206.1 U8200.53(ATXN2)
SATAPM0_TXN3: C8221.1 U8200.36(ATXN3)
SATAPM0_TXN4: C8239.1 U8200.30(ATXN4)
SATAPM0_TXN5: C8216.2 U8200.24(ATXN5)
SATAPM0_TXN_0: C8215.2 J8202.3(TXN)
SATAPM0_TXN_1: C8200.2 J8200.3(TXN)
SATAPM0_TXN_2: C8206.2 J8201.3(TXN)
SATAPM0_TXN_3: C8221.2 J8203.3(TXN)
SATAPM0_TXN_4: C8239.2 J8204.3(TXN)
SATAPM0_TXP0: C8214.1 U8200.48(ATXP0)
SATAPM0_TXP1: C8201.1 U8200.60(ATXP1)
SATAPM0_TXP2: C8205.1 U8200.54(ATXP2)
SATAPM0_TXP3: C8220.1 U8200.37(ATXP3)
SATAPM0_TXP4: C8238.1 U8200.31(ATXP4)
SATAPM0_TXP5: C8218.2 U8200.25(ATXP5)
SATAPM0_TXP_0: C8214.2 J8202.2(TXP)
SATAPM0_TXP_1: C8201.2 J8200.2(TXP)
SATAPM0_TXP_2: C8205.2 J8201.2(TXP)
SATAPM0_TXP_3: C8220.2 J8203.2(TXP)
SATAPM0_TXP_4: C8238.2 J8204.2(TXP)
SATAPM0_XIN: C8213.1 R8207.2 U8200.39(AXIN) Y8200.3(X2)
SATAPM0_XOUT: C8211.1 R8207.1 U8200.40(AXOUT) Y8200.1(X1)
SATAPM1_GPIO0: U8300.17(ZGPIO00) U8301.6(CLK)
SATAPM1_GPIO1: U8300.16(ZGPIO01) U8301.5(DI(D0))
SATAPM1_GPIO2: U8300.15(ZGPIO02) U8301.2(DO(D1))
SATAPM1_GPIO3: R8304.2 U8300.11(ZGPIO03) U8301.3(W\P\(D2))
SATAPM1_GPIO4: R8305.2 U8300.10(ZGPIO04) U8301.7(H\O\L\D\(D3))
SATAPM1_GPIO12: R8302.2 TP8300.1 U8300.63(ZGPIO12)
SATAPM1_GPIO13: R8309.2 TP8301.1 U8300.19(ZGPIO13)
SATAPM1_GPIO14: R8303.2 R8308.2 U8300.18(ZGPIO14) U8301.1(C\S\)
SATAPM1_REXT: R8306.1 U8300.42(AREXT)
SATAPM1_RSTN: C8304.1 R8300.2 R8301.2 U8300.62(XRSTN)
SATAPM1_RSTN_L_GPIO4_A1: R8301.1 U1000.AL30(GPIO4_A1_D)
SATAPM1_RXN0: C8317.1 U8300.45(ARXN0)
SATAPM1_RXN1: C8302.1 U8300.57(ARXN1)
SATAPM1_RXN2: C8307.1 U8300.51(ARXN2)
SATAPM1_RXN3: C8322.1 U8300.34(ARXN3)
SATAPM1_RXN4: C8337.1 U8300.28(ARXN4)
SATAPM1_RXN5: C8312.2 U8300.22(ARXN5)
SATAPM1_RXN_0: C8317.2 J8302.5(RXN)
SATAPM1_RXN_1: C8302.2 J8300.5(RXN)
SATAPM1_RXN_2: C8307.2 J8301.5(RXN)
SATAPM1_RXN_3: C8322.2 J8303.5(RXN)
SATAPM1_RXN_4: C8337.2 J8304.5(RXN)
SATAPM1_RXP0: C8319.1 U8300.44(ARXP0)
SATAPM1_RXP1: C8303.1 U8300.56(ARXP1)
SATAPM1_RXP2: C8309.1 U8300.50(ARXP2)
SATAPM1_RXP3: C8323.1 U8300.33(ARXP3)
SATAPM1_RXP4: C8338.1 U8300.27(ARXP4)
SATAPM1_RXP5: C8310.2 U8300.21(ARXP5)
SATAPM1_RXP_0: C8319.2 J8302.6(RXP)
SATAPM1_RXP_1: C8303.2 J8300.6(RXP)
SATAPM1_RXP_2: C8309.2 J8301.6(RXP)
SATAPM1_RXP_3: C8323.2 J8303.6(RXP)
SATAPM1_RXP_4: C8338.2 J8304.6(RXP)
SATAPM1_TESTN: R8310.2 U8300.20(XTSTN)
SATAPM1_TXN0: C8315.1 U8300.47(ATXN0)
SATAPM1_TXN1: C8301.1 U8300.59(ATXN1)
SATAPM1_TXN2: C8306.1 U8300.53(ATXN2)
SATAPM1_TXN3: C8321.1 U8300.36(ATXN3)
SATAPM1_TXN4: C8336.1 U8300.30(ATXN4)
SATAPM1_TXN5: C8316.2 U8300.24(ATXN5)
SATAPM1_TXN_0: C8315.2 J8302.3(TXN)
SATAPM1_TXN_1: C8301.2 J8300.3(TXN)
SATAPM1_TXN_2: C8306.2 J8301.3(TXN)
SATAPM1_TXN_3: C8321.2 J8303.3(TXN)
SATAPM1_TXN_4: C8336.2 J8304.3(TXN)
SATAPM1_TXP0: C8314.1 U8300.48(ATXP0)